# KiCad board SmallDSPMaxi.kicad_pcb (continued)
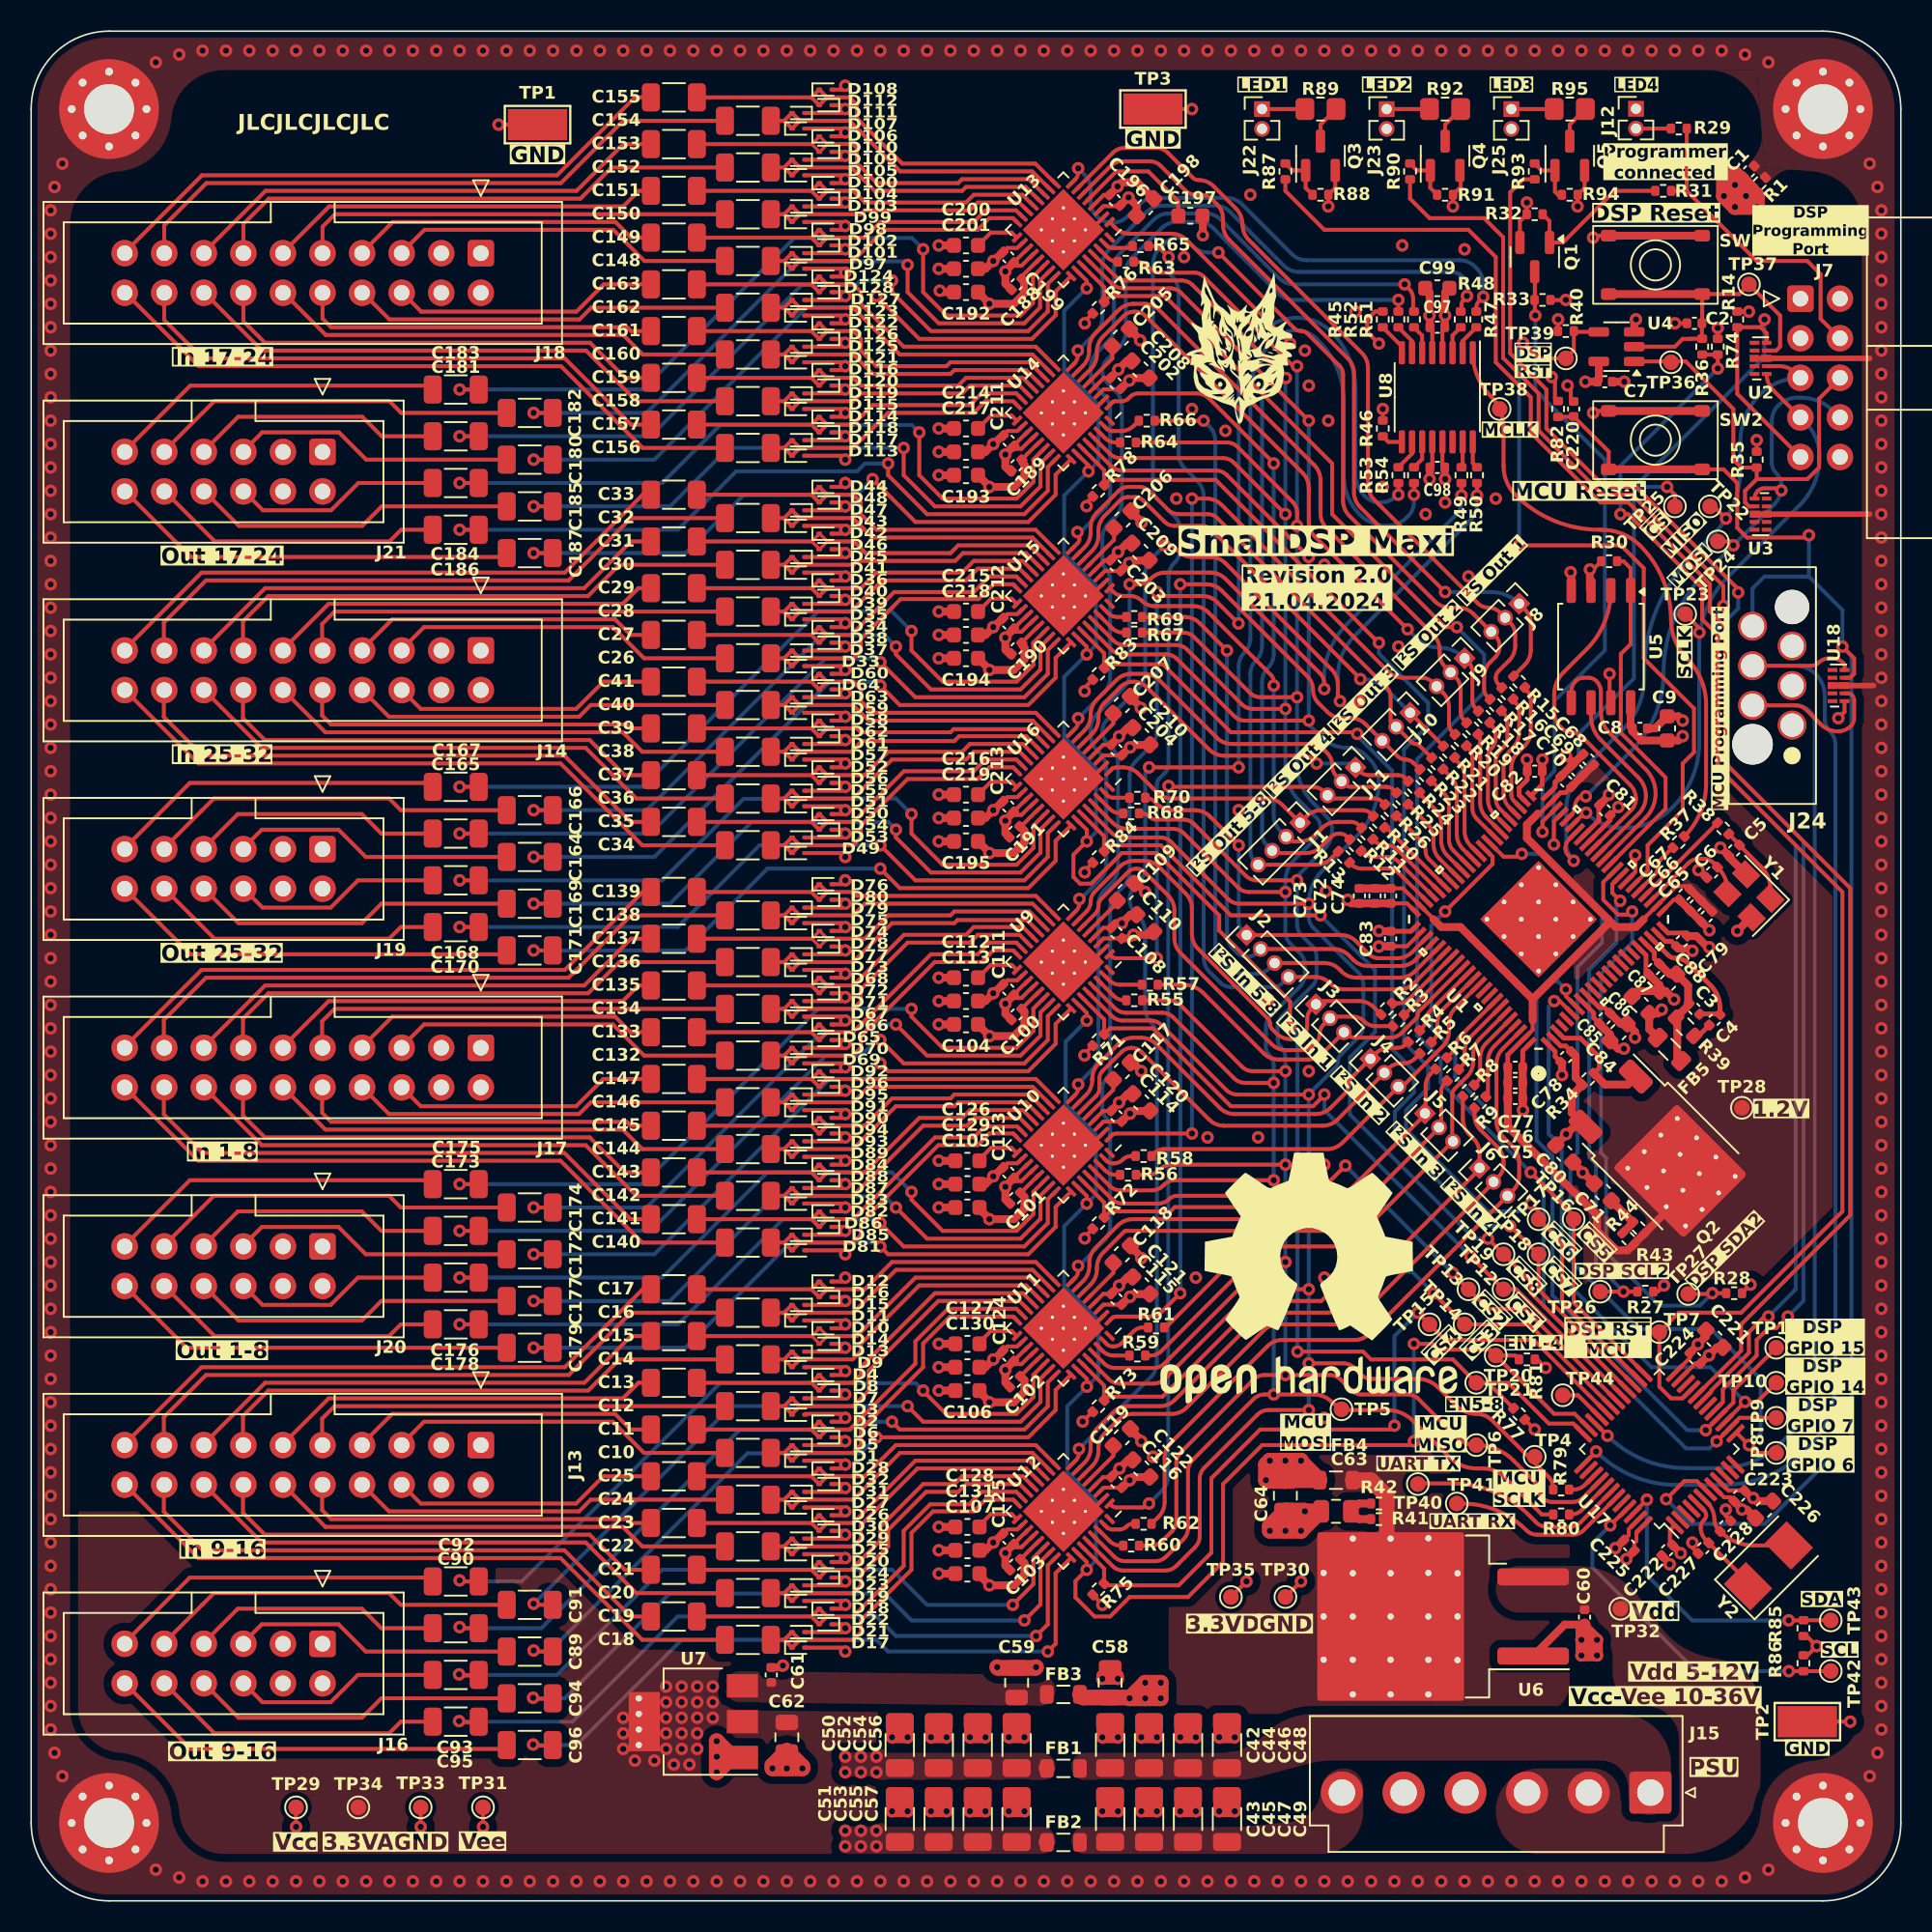
[diagram p0: board, top side]
## Placement (name value [footprint] x y rotation side) (continued)
D124  RB521CS-30  [D_SOD-923]  51 104.25 0 top
D125  RB521CS-30  [D_SOD-923]  49.25 99.75 180 top
D126  RB521CS-30  [D_SOD-923]  51 100.25 180 top
D127  RB521CS-30  [D_SOD-923]  49.25 102.75 180 top
D128  RB521CS-30  [D_SOD-923]  51 103.25 180 top
FB1  600R@100MHz  [L_0805_2012Metric]  66.25 8.5 180 top
FB2  600R@100MHz  [L_0805_2012Metric]  66.25 3.75 180 top
FB3  600R@100MHz  [L_0805_2012Metric]  66.25 13.25 180 top
FB4  600R@100MHz  [L_0805_2012Metric]  83.75 27 180 top
FB5  600R@100MHz  [L_0805_2012Metric]  105.15 54.65 315 top
G***  LOGO  [OpenHardware_600dpi]  82 40 0 top
G***#2  LOGO  [Strix_paint_600dpi]  77.69 99.62 0 top
G***#3  LOGO  [OpenHardware_600dpi]  66.75 58 180 bottom
G***#4  LOGO  [Strix_paint_300dpi]  80 93.25 180 bottom
H1  MountingHole  [MountingHole_3.2mm_M3_Pad_Via]  115 5 0 top
H2  MountingHole  [MountingHole_3.2mm_M3_Pad_Via]  5 5 0 top
H3  MountingHole  [MountingHole_3.2mm_M3_Pad_Via]  5 115 0 top
H4  MountingHole  [MountingHole_3.2mm_M3_Pad_Via]  115 115 0 top
J1  Header  [PinHeader_1x04_P1.27mm_Vertical]  81.45 69.2 315 top  (not fitted)
J2  Header  [PinHeader_1x04_P1.27mm_Vertical]  78.01 61.99 45 top  (not fitted)
J3  Header  [PinHeader_1x03_P1.27mm_Vertical]  82.46 57.55 45 top  (not fitted)
J4  Header  [PinHeader_1x03_P1.27mm_Vertical]  85.95 54.05 45 top  (not fitted)
J5  Header  [PinHeader_1x03_P1.27mm_Vertical]  89.46 50.54 45 top  (not fitted)
J6  Header  [PinHeader_1x03_P1.27mm_Vertical]  92.96 47.04 45 top  (not fitted)
J7  Programming  [IDC-Header_2x05_P2.54mm_Horizontal]  113.55 102.83 0 top
J8  Header  [PinHeader_1x03_P1.27mm_Vertical]  95.5 83.25 315 top  (not fitted)
J9  Header  [PinHeader_1x03_P1.27mm_Vertical]  92 79.75 315 top  (not fitted)
J10  Header  [PinHeader_1x03_P1.27mm_Vertical]  88.5 76.25 315 top  (not fitted)
J11  Header  [PinHeader_1x03_P1.27mm_Vertical]  85 72.75 315 top  (not fitted)
J12  Header  [PinHeader_1x02_P1.27mm_Vertical]  103 115.02 0 top  (not fitted)
J13  IDC  [IDC-Header_2x10_P2.54mm_Vertical]  28.86 29.25 270 top
J14  IDC  [IDC-Header_2x10_P2.54mm_Vertical]  28.86 80.25 270 top
J15  B6P-VH  [JST_VH_B6P-VH_1x06_P3.96mm_Vertical]  103.93 6.95 180 top
J16  IDC  [IDC-Header_2x06_P2.54mm_Vertical]  18.7 16.5 270 top
J17  IDC  [IDC-Header_2x10_P2.54mm_Vertical]  28.86 54.75 270 top
J18  IDC  [IDC-Header_2x10_P2.54mm_Vertical]  28.86 105.75 270 top
J19  IDC  [IDC-Header_2x06_P2.54mm_Vertical]  18.7 67.5 270 top
J20  IDC  [IDC-Header_2x06_P2.54mm_Vertical]  18.7 42 270 top
J21  IDC  [IDC-Header_2x06_P2.54mm_Vertical]  18.7 93 270 top
J22  Header  [PinHeader_1x02_P1.27mm_Vertical]  79 115 0 top  (not fitted)
J23  Header  [PinHeader_1x02_P1.27mm_Vertical]  87 115 0 top  (not fitted)
J24  Header  [WE_WR-WST_REDFIT-6_Debugging]  111.75 78 270 top
J25  Header  [PinHeader_1x02_P1.27mm_Vertical]  95 115 0 top  (not fitted)
Q1  2N7002  [SOT-23]  96.5 105.5 270 top
Q2  NSS1C300ET4G  [TO-252-2 thermal vias]  104.95 47.73 315 top
Q3  2N7002  [SOT-23]  82.75 112 90 top
Q4  2N7002  [SOT-23]  90.75 112 90 top
Q5  2N7002  [SOT-23]  98.75 112 90 top
R1  1k  [R_0402_1005Metric]  110.94 110.25 225 top
R2  33R  [R_0402_1005Metric]  87 57.25 45 top
R3  33R  [R_0402_1005Metric]  87.75 56.5 45 top
R4  33R  [R_0402_1005Metric]  88.75 55.5 45 top
R5  33R  [R_0402_1005Metric]  89.5 54.75 45 top
R6  33R  [R_0402_1005Metric]  90.5 53.75 45 top
R7  33R  [R_0402_1005Metric]  91.25 53 45 top
R8  33R  [R_0402_1005Metric]  92.25 52 45 top
R9  33R  [R_0402_1005Metric]  93 51.25 45 top
R10  33R  [R_0402_1005Metric]  86.5 69.25 315 top
R11  33R  [R_0402_1005Metric]  85.75 68.5 315 top
R12  33R  [R_0402_1005Metric]  85 67.75 315 top
R13  33R  [R_0402_1005Metric]  84.25 67 315 top
R14  10k  [R_0402_1005Metric]  109.5 101.5 270 top
R15  33R  [R_0402_1005Metric]  95.5 78.25 135 top
R16  33R  [R_0402_1005Metric]  94.75 77.5 135 top
R17  33R  [R_0402_1005Metric]  94 76.75 135 top
R18  33R  [R_0402_1005Metric]  93.25 76 135 top
R19  33R  [R_0402_1005Metric]  92.5 75.25 135 top
R20  33R  [R_0402_1005Metric]  91.75 74.5 135 top
R21  33R  [R_0402_1005Metric]  91 73.75 135 top
R22  33R  [R_0402_1005Metric]  90.25 73 135 top
R23  33R  [R_0402_1005Metric]  89.5 72.25 135 top
R24  33R  [R_0402_1005Metric]  88.75 71.5 135 top
R25  33R  [R_0402_1005Metric]  88 70.75 135 top
R26  33R  [R_0402_1005Metric]  87.25 70 135 top
R27  2k2  [R_0402_1005Metric]  103.6 39.1 180 top  (not fitted)
R28  2k2  [R_0402_1005Metric]  109.3 39 180 top  (not fitted)
R29  1k  [R_0402_1005Metric]  105.75 113.75 180 top
R30  10k  [R_0402_1005Metric]  101.28 85.98 0 top
R31  100R  [R_0402_1005Metric]  104.75 109.75 0 top
R32  100k  [R_0402_1005Metric]  96.5 108.25 0 top
R33  10k  [R_0402_1005Metric]  97 102.75 180 top
R34  1k  [R_0402_1005Metric]  99.93 52.75 45 top
R35  100k  [R_0402_1005Metric]  110.75 92.5 90 top
R36  1k  [R_0402_1005Metric]  107.25 99.75 90 top
R37  33R  [R_0402_1005Metric]  105.74 67.95 45 top
R38  100R  [R_0402_1005Metric]  108.59 68.83 315 top
R39  4k3  [R_0603_1608Metric]  106.15 56.1 135 top
R40  10k  [R_0402_1005Metric]  98.5 100.75 180 top
R41  1R  [R_0402_1005Metric]  86.5 24.5 180 top
R42  1R  [R_0402_1005Metric]  86.5 25.5 180 top
R43  1R  [R_0402_1005Metric]  102.5 42.5 135 top
R44  1R  [R_0402_1005Metric]  103.17 43.19 135 top
R45  1k  [R_0402_1005Metric]  86.75 101.5 270 top
R46  1k  [R_0402_1005Metric]  86.75 94.5 270 top
R47  33R  [R_0402_1005Metric]  92.75 101.5 90 top
R48  33R  [R_0402_1005Metric]  91.75 101.5 90 top
R49  33R  [R_0402_1005Metric]  91.8 91.5 270 top
R50  33R  [R_0402_1005Metric]  92.8 91.5 270 top
R51  33R  [R_0402_1005Metric]  88.75 101.5 90 top
R52  33R  [R_0402_1005Metric]  87.75 101.5 90 top
R53  33R  [R_0402_1005Metric]  87.75 91.5 270 top
R54  33R  [R_0402_1005Metric]  88.75 91.5 270 top
R55  33R  [R_0402_1005Metric]  70.8 57.8 180 top
R56  33R  [R_0402_1005Metric]  70.4 46.6 180 top
R57  33R  [R_0402_1005Metric]  71.8 58.8 0 top
R58  33R  [R_0402_1005Metric]  71.4 47.8 0 top
R59  33R  [R_0402_1005Metric]  71 35 180 top
R60  33R  [R_0402_1005Metric]  70.6 22.8 180 top
R61  33R  [R_0402_1005Metric]  72.2 36.8 0 top
R62  33R  [R_0402_1005Metric]  71.4 24.2 0 top
R63  33R  [R_0402_1005Metric]  70.25 105.2 180 top
R64  33R  [R_0402_1005Metric]  70.4 93.6 180 top
R65  33R  [R_0402_1005Metric]  71.2 106.2 0 top
R66  33R  [R_0402_1005Metric]  71.6 95 0 top
R67  33R  [R_0402_1005Metric]  70.8 81.4 180 top
R68  33R  [R_0402_1005Metric]  70.6 69.8 180 top
R69  33R  [R_0402_1005Metric]  70.8 82.4 0 top
R70  33R  [R_0402_1005Metric]  71 70.8 0 top
R71  10k  [R_0402_1005Metric]  68.5 55.25 45 top
R72  10k  [R_0402_1005Metric]  68.5 43.5 45 top
R73  10k  [R_0402_1005Metric]  68.5 31.75 45 top
R74  10k  [R_0402_1005Metric]  108.25 99.75 90 top
R75  10k  [R_0402_1005Metric]  68.5 20 45 top
R76  10k  [R_0402_1005Metric]  68.5 102.25 45 top
R77  10k  [R_0402_1005Metric]  95.5 31.25 315 top
R78  10k  [R_0402_1005Metric]  68.5 90.5 45 top
R79  33R  [R_0402_1005Metric]  98.2 26.4 0 top
R80  33R  [R_0402_1005Metric]  98.2 24.8 0 top
R81  10k  [R_0402_1005Metric]  96 34.75 0 top
R82  10k  [R_0402_1005Metric]  98 95.75 270 top
R83  10k  [R_0402_1005Metric]  68.5 78.75 45 top
R84  10k  [R_0402_1005Metric]  68.5 67 45 top
R85  2k2  [R_0402_1005Metric]  113.75 17.5 90 top  (not fitted)
R86  2k2  [R_0402_1005Metric]  113.75 15.25 270 top  (not fitted)
R87  100R  [R_0402_1005Metric]  80.5 111 90 top
R88  100k  [R_0402_1005Metric]  82.75 109.5 0 top
R89  TBD  [R_0805_2012Metric_Pad1.20x1.40mm_HandSolder]  82.75 115 0 top  (not fitted)
R90  100R  [R_0402_1005Metric]  88.5 111 90 top
R91  100k  [R_0402_1005Metric]  90.75 109.5 0 top
R92  TBD  [R_0805_2012Metric_Pad1.20x1.40mm_HandSolder]  90.75 115 0 top  (not fitted)
R93  100R  [R_0402_1005Metric]  96.5 111 90 top
R94  100k  [R_0402_1005Metric]  98.75 109.5 0 top
R95  TBD  [R_0805_2012Metric_Pad1.20x1.40mm_HandSolder]  98.75 115 0 top  (not fitted)
SW1  -  [TS-1187A-B-A-B]  104.25 105 0 top
SW2  -  [TS-1187A-B-A-B]  104.25 93.75 0 top
TP1  TestPoint  [TestPoint_Keystone_5019_Minature]  32.5 114 180 top  (not fitted)
TP2  TestPoint  [TestPoint_Keystone_5019_Minature]  114 11.5 180 top  (not fitted)
TP3  TestPoint  [TestPoint_Keystone_5019_Minature]  72 115 180 top  (not fitted)
TP4  TestPoint  [TestPoint_Pad_D1.0mm]  96.5 28.5 0 top
TP5  TestPoint  [TestPoint_Pad_D1.0mm]  84.1 31.55 0 top
TP6  TestPoint  [TestPoint_Pad_D1.0mm]  92.75 29.25 0 top
TP7  TestPoint  [TestPoint_Pad_D1.0mm]  104.5 36.5 0 top
TP8  TestPoint  [TestPoint_Pad_D1.0mm]  112 28.75 0 top
TP9  TestPoint  [TestPoint_Pad_D1.0mm]  112 31 0 top
TP10  TestPoint  [TestPoint_Pad_D1.0mm]  112 33.25 0 top
TP11  TestPoint  [TestPoint_Pad_D1.0mm]  112 35.5 0 top
TP12  TestPoint  [TestPoint_Pad_D1.0mm]  94.5 39.25 135 top
TP13  TestPoint  [TestPoint_Pad_D1.0mm]  92.25 39.25 135 top
TP14  TestPoint  [TestPoint_Pad_D1.0mm]  92 37 135 top
TP15  TestPoint  [TestPoint_Pad_D1.0mm]  89.75 37 135 top
TP16  TestPoint  [TestPoint_Pad_D1.0mm]  99 43.75 0 top
TP17  TestPoint  [TestPoint_Pad_D1.0mm]  96.75 43.75 0 top
TP18  TestPoint  [TestPoint_Pad_D1.0mm]  96.75 41.5 0 top
TP19  TestPoint  [TestPoint_Pad_D1.0mm]  94.5 41.5 0 top
TP20  TestPoint  [TestPoint_Pad_D1.0mm]  94 35 0 top
TP21  TestPoint  [TestPoint_Pad_D1.0mm]  92.75 33.25 0 top
TP22  TestPoint  [TestPoint_Pad_D1.0mm]  107.75 89.5 0 top
TP23  TestPoint  [TestPoint_Pad_D1.0mm]  106.16 82.59 0 top
TP24  TestPoint  [TestPoint_Pad_D1.0mm]  108.25 87.25 0 top
TP25  TestPoint  [TestPoint_Pad_D1.0mm]  105.5 89.5 0 top
TP26  TestPoint  [TestPoint_Pad_D1.0mm]  100.7 39.1 45 top
TP27  TestPoint  [TestPoint_Pad_D1.0mm]  106.35 38.95 45 top
TP28  TestPoint  [TestPoint_Pad_D1.0mm]  109.8 50.9 0 top
TP29  TestPoint  [TestPoint_Pad_D1.0mm]  17 6 0 top
TP30  TestPoint  [TestPoint_Pad_D1.0mm]  80.5 19.5 0 top
TP31  TestPoint  [TestPoint_Pad_D1.0mm]  29 6 0 top
TP32  TestPoint  [TestPoint_Pad_D1.0mm]  102 18.75 90 top
TP33  TestPoint  [TestPoint_Pad_D1.0mm]  25 6 315 top
TP34  TestPoint  [TestPoint_Pad_D1.0mm]  21 6 0 top
TP35  TestPoint  [TestPoint_Pad_D1.0mm]  77 19.5 270 top
TP36  TestPoint  [TestPoint_Pad_D1.0mm]  105.25 98.75 0 top
TP37  TestPoint  [TestPoint_Pad_D1.0mm]  110.25 103.75 0 top
TP38  TestPoint  [TestPoint_Pad_D1.0mm]  94.25 95.75 0 top
TP39  TestPoint  [TestPoint_Pad_D1.0mm]  98.5 99 180 top
TP40  TestPoint  [TestPoint_Pad_D1.0mm]  89 26.75 0 top
TP41  TestPoint  [TestPoint_Pad_D1.0mm]  91.5 25.5 0 top
TP42  TestPoint  [TestPoint_Pad_D1.0mm]  115.5 14.75 135 top
TP43  TestPoint  [TestPoint_Pad_D1.0mm]  115.5 18 135 top
TP44  TestPoint  [TestPoint_Pad_D1.0mm]  98.3 32.45 0 top
U1  ADAU1467  [ADAU1463]  96.75 63 135 top
U2  H5VU25U  [Diodes_UDFN-10_1.0x2.5mm_P0.5mm]  111 99 180 top
U3  H5VU25U  [Diodes_UDFN-10_1.0x2.5mm_P0.5mm]  111 89 0 top
U4  74AHC1G08  [SOT-23-5]  101.75 99.75 180 top
U5  25AA1024-I/SM  [SOIC-8_5.275x5.275mm_P1.27mm]  100.75 80.5 270 top
U6  LD1085D2T33TR  [TO-263-2]  88.75 18.25 180 top
U7  TLV1117-33  [SOT-223-3_TabPin2]  42.5 11.5 180 top
U8  PL123-09OC  [TSSOP-16_4.4x5mm_P0.65mm]  90.25 96.5 270 top
U9  AK4619  [QFN-32-1EP_5x5mm_P0.5mm_EP3.7x3.7mm_ThermalVias]  66.25 60.25 225 top
U10  AK4619  [QFN-32-1EP_5x5mm_P0.5mm_EP3.7x3.7mm_ThermalVias]  66.25 48.5 225 top
U11  AK4619  [QFN-32-1EP_5x5mm_P0.5mm_EP3.7x3.7mm_ThermalVias]  66.25 36.75 225 top
U12  AK4619  [QFN-32-1EP_5x5mm_P0.5mm_EP3.7x3.7mm_ThermalVias]  66.25 25 225 top
U13  AK4619  [QFN-32-1EP_5x5mm_P0.5mm_EP3.7x3.7mm_ThermalVias]  66.25 107.25 225 top
U14  AK4619  [QFN-32-1EP_5x5mm_P0.5mm_EP3.7x3.7mm_ThermalVias]  66.25 95.5 225 top
U15  AK4619  [QFN-32-1EP_5x5mm_P0.5mm_EP3.7x3.7mm_ThermalVias]  66.25 83.75 225 top
U16  AK4619  [QFN-32-1EP_5x5mm_P0.5mm_EP3.7x3.7mm_ThermalVias]  66.25 72 225 top
U17  STM32F030C8Tx  [LQFP-48_7x7mm_P0.5mm]  104.5 29 135 top
U18  H5VU25U  [Diodes_UDFN-10_1.0x2.5mm_P0.5mm]  116 78 180 top
Y1  25.576MHz  [Crystal_SMD_3225-4Pin_3.2x2.5mm]  110.25 64.5 135 top
Y2  8MHz  [Crystal_SMD_5032-2Pin_5.0x3.2mm]  111.5 21.5 45 top

## Library data of the parts
C1 C2 C8 C60 C61 C66 C69 C73 C76 C78 C79 C81-C83 C85 C87 C97 C98 C100-C103 C108 C111 C114-C116 C123-C125 C188-C191 C196 C199 C202-C204 C211-C213 C220 C222-C225 = -: Assembling: X; Dielectric: X7R; LCSC Part #: C307331; Manufacturer: Samsung Electro-Mechanics; Notes: -25%@10VDC; Part Number: CL05B104KB54PNC; Rated Voltage: 50V; Tolerance: 10%; ki_fp_filters: C_*
C3 = -: Assembling: X; Dielectric: C0G; LCSC Part #: C86286; Manufacturer: Samsung Electro-Mechanics; Part Number: CL05C151JB5NNNC; Rated Voltage: 50V; Tolerance: 10%; ki_fp_filters: C_*
C4 = -: Dielectric: C0G; LCSC Part #: C2976066; Manufacturer: Murata Electronics; Part Number: GRM1555C1H562JE01D; Rated Voltage: 50V; Tolerance: 5%; ki_fp_filters: C_*
C5 C6 C227 C228 = -: Assembling: X; Dielectric: C0G; LCSC Part #: C1557; Manufacturer: FH (Guangdong Fenghua Advanced Tech); Part Number: 0402CG270J500NT; Rated Voltage: 50V; Tolerance: 5%; ki_fp_filters: C_*
C7 = -: Dielectric: X7R; Notes: -25%@10VDC; Rated Voltage: 50V; Assembling: X; Manufacturer: Samsung Electro-Mechanics; Part Number: CL05B104KB54PNC; Tolerance: 10%; LCSC Part #: C307331; ki_fp_filters: C_*
C9 C71 C80 C84 C86 C88 C99 C104-C107 C110 C113 C120-C122 C129-C131 C192-C195 C198 C201 C208-C210 C217-C219 C221 C226 = -: Assembling: X; Dielectric: X5R; LCSC Part #: C96446; Manufacturer: Samsung Electro-Mechanics; Notes: -50%@5VDC; Part Number: CL10A106MA8NRNC; Rated Voltage: 25V; Tolerance: 10%; ki_fp_filters: C_*
C10-C41 C89-C96 C132-C187 = -: Dielectric: X5R; Rated Voltage: 50V; Assembling: X; Manufacturer: Samsung Electro-Mechanics; Part Number: CL31A106KBHNNNE; Tolerance: 10%; LCSC Part #: C13585; ki_fp_filters: C_*
C42 C43 C56 C57 = -: Assembling: X; Dielectric: X5R; LCSC Part #: C12891; Manufacturer: Samsung Electro-Mechanics; Notes: -85%@18VDC; Part Number: CL31A226KAHNNNE; Rated Voltage: 25V; Tolerance: 10%; ki_fp_filters: C_*
C44-C55 = -: Dielectric: X5R; Notes: -85%@18VDC; Rated Voltage: 25V; Assembling: X; Manufacturer: Samsung Electro-Mechanics; Part Number: CL31A226KAHNNNE; Tolerance: 10%; LCSC Part #: C12891; ki_fp_filters: C_*
C58 C59 = -: Dielectric: X5R; Notes: -50%@5VDC; Rated Voltage: 25V; Assembling: X; Manufacturer: Samsung Electro-Mechanics; Part Number: CL21A226MAQNNNE; Tolerance: 10%; LCSC Part #: C45783; ki_fp_filters: C_*
C62-C64 = -: Assembling: X; Dielectric: X5R; LCSC Part #: C45783; Manufacturer: Samsung Electro-Mechanics; Notes: -50%@5VDC; Part Number: CL21A226MAQNNNE; Rated Voltage: 25V; Tolerance: 10%; ki_fp_filters: C_*
C65 C68 C72 C75 = -: Assembling: X; Dielectric: X5R; LCSC Part #: C52923; Manufacturer: Samsung Electro-Mechanics; Part Number: CL05A105KA5NQNC; Rated Voltage: 25V; Tolerance: 10%; ki_fp_filters: C_*
C67 C70 C74 C77 = -: Assembling: X; Dielectric: X7R; LCSC Part #: C15195; Manufacturer: Samsung Electro-Mechanics; Part Number: CL05B103KB5NNNC; Rated Voltage: 50V; Tolerance: 10%; ki_fp_filters: C_*
C109 C112 C117-C119 C126-C128 C197 C200 C205-C207 C214-C216 = -: Assembling: X; Dielectric: X5R; LCSC Part #: C19666; Manufacturer: Samsung Electro-Mechanics; Notes: -50%@3.3V and 0Vrms; Part Number: CL10A475KO8NNNC; Rated Voltage: 50V; Tolerance: 10%; ki_fp_filters: C_*
D1-D128 = -: Assembling: X; Manufacturer: TECH PUBLIC; LCSC Part #: C558436; Notes: 400mV@20mA; Rated Current: 200mA; ki_fp_filters: TO-???* *_Diode_* *SingleDiode* D_*
FB1 FB2 FB4 FB5 = -: LCSC Part #: C6467950; Manufacturer: WÃ¼rth Elektronik; Notes: Alternative(Jumper):C17477; Part Number: 78279220601; Rated Current: 2A; ki_fp_filters: Inductor_* L_* *Ferrite*
FB3 = -: Notes: Alternative(Jumper):C17477; Manufacturer: WÃ¼rth Elektronik; Part Number: 78279220601; Rated Current: 2A; LCSC Part #: C6467950; ki_fp_filters: Inductor_* L_* *Ferrite*
H1-H4 = -: LCSC Part #: -; Manufacturer: -; Part Number: -; ki_fp_filters: MountingHole*Pad*
J1-J6 J8-J12 J22 J23 J25 = -: LCSC Part #: -; Manufacturer: -; Part Number: -; ki_fp_filters: Connector*:*_1x??_*
J7 = -: LCSC Part #: -; Manufacturer: WÃ¼rth Electronik; Part Number: 61201021721; ki_fp_filters: Connector*:*_2x??_*
J13 J14 J17 J18 = -: Manufacturer: Amphenol; Part Number: T821120A1S100CEU; LCSC Part #: -; ki_fp_filters: Connector*:*_2x??_*
J15 = -: Description: Generic connector, single row, 01x06, script generated (kicad-library-utils/schlib/autogen/connector/); ki_fp_filters: Connector*:*_1x??_*
J16 J19-J21 = -: LCSC Part #: -; Manufacturer: Amphenol; Part Number: 75869-302LF; ki_fp_filters: Connector*:*_2x??_*
J24 = -: Description: Generic connector, double row, 02x03, odd/even pin numbering scheme (row 1 odd numbers, row 2 even numbers), script generated (kicad-library-utils/schlib/autogen/connector/); ki_fp_filters: Connector*:*_2x??_*
Q1 = -: Assembling: X; Manufacturer: Jiangsu Changjing Electronics Technology Co., Ltd.; LCSC Part #: C8545
Q2 = -: LCSC Part #: C604342; Manufacturer: onsemi
Q3-Q5 = -: Assembling: X; LCSC Part #: C8545; Manufacturer: Jiangsu Changjing Electronics Technology Co., Ltd.
R1 R29 R34 R45 R46 = -: Assembling: X; LCSC Part #: C11702; Manufacturer: UNI-ROYAL(Uniroyal Elec); Part Number: 0402WGF1001TCE; Rated Power: 62.5mW; Tolerance: 1%; ki_fp_filters: R_*
R2-R13 R15-R26 R37 R47-R70 R79 R80 = -: Assembling: X; LCSC Part #: C25105; Manufacturer: UNI-ROYAL(Uniroyal Elec); Part Number: 0402WGF330JTCE; Rated Power: 62.5mW; Tolerance: 1%; ki_fp_filters: R_*
R14 R30 R33 R71-R73 R75-R78 R81-R84 = -: Assembling: X; LCSC Part #: C25744; Manufacturer: UNI-ROYAL(Uniroyal Elec); Part Number: 0402WGF1002TCE; Rated Power: 62.5mW; Tolerance: 1%; ki_fp_filters: R_*
R27 R28 = -: Manufacturer: UNI-ROYAL(Uniroyal Elec); Part Number: 0402WGF2201TCE; Tolerance: 1%; Assembling: X; Rated Power: 62.5mW; LCSC Part #: C25879; ki_fp_filters: R_*
R31 = -: Assembling: X; Manufacturer: UNI-ROYAL(Uniroyal Elec); Part Number: 0402WGF1000TCE; Rated Power: 62.5mW; Tolerance: 1%; LCSC Part #: C25076; ki_fp_filters: R_*
R32 R35 = -: Assembling: X; Manufacturer: UNI-ROYAL(Uniroyal Elec); Rated Power: 62.5mW; Part Number: 0402WGF1003TCE; Tolerance: 1%; LCSC Part #: C25741; ki_fp_filters: R_*
R36 = -: Assembling: X; Manufacturer: UNI-ROYAL(Uniroyal Elec); Part Number: 0402WGF1001TCE; Rated Power: 62.5mW; Tolerance: 1%; LCSC Part #: C11702; ki_fp_filters: R_*
R38 R87 R90 R93 = -: Assembling: X; LCSC Part #: C25076; Manufacturer: UNI-ROYAL(Uniroyal Elec); Part Number: 0402WGF1000TCE; Rated Power: 62.5mW; Tolerance: 1%; ki_fp_filters: R_*
R39 = -: Assembling: X; LCSC Part #: C23159; Manufacturer: UNI-ROYAL(Uniroyal Elec); Part Number: 0603WAF4301T5E; Rated Power: 100mW; Tolerance: 1%; ki_fp_filters: R_*
R40 = -: Assembling: X; Manufacturer: UNI-ROYAL(Uniroyal Elec); Part Number: 0402WGF1002TCE; Rated Power: 62.5mW; Tolerance: 1%; LCSC Part #: C25744; ki_fp_filters: R_*
R41-R44 = -: Assembling: X; LCSC Part #: C25086; Manufacturer: UNI-ROYAL(Uniroyal Elec); Part Number: 0402WGF100KTCE; Rated Power: 62.5mW; Tolerance: 1%; ki_fp_filters: R_*
R74 = -: Assembling: X; Manufacturer: UNI-ROYAL(Uniroyal Elec); Rated Power: 62.5mW; Part Number: 0402WGF1002TCE; Tolerance: 1%; LCSC Part #: C25744; ki_fp_filters: R_*
R85 R86 = -: Assembling: X; LCSC Part #: C25879; Manufacturer: UNI-ROYAL(Uniroyal Elec); Part Number: 0402WGF2201TCE; Rated Power: 62.5mW; Tolerance: 1%; ki_fp_filters: R_*
R88 R91 R94 = -: Assembling: X; LCSC Part #: C25741; Manufacturer: UNI-ROYAL(Uniroyal Elec); Part Number: 0402WGF1003TCE; Rated Power: 62.5mW; Tolerance: 1%; ki_fp_filters: R_*
R89 R92 R95 = -: LCSC Part #: -; Manufacturer: -; Part Number: -; ki_fp_filters: R_*
SW1 SW2 = -: Assembling: X; LCSC Part #: C318884; Manufacturer: XKB Connectivity
TP1-TP3 = -: LCSC Part #: C238131; Manufacturer: Keystone; Part Number: 5019; ki_fp_filters: Pin* Test*
TP4-TP6 TP20 TP21 TP26-TP28 TP30-TP35 TP38-TP44 = -: LCSC Part #: -; Manufacturer: -; Part Number: -; ki_fp_filters: Pin* Test*
TP7-TP19 TP22-TP25 TP29 TP36 TP37 = -: Manufacturer: -; Part Number: -; LCSC Part #: -; ki_fp_filters: Pin* Test*
U1 = -: Datasheet: https://www.mouser.de/datasheet/2/609/ADAU1463_1467-3119880.pdf; Description: Analog Devices Sigma DSP; LCSC Part #: C654415; Manufacturer: Analog Devices; Notes: Alterative: ADAU1463WBCPZ300RL (C654412) Less RAM.; Part Number: ADAU1463; Field13: 0.213in/5.4mm
U2 U3 U18 = -: Datasheet: https://www.diodes.com/assets/Datasheets/D3V3XA4B10LP.pdf; Assembling: X; LCSC Part #: C7420374; Manufacturer: hongjiacheng; ki_fp_filters: Diodes*UDFN*1.0x2.5mm*P0.5mm*
U4 = -: Datasheet: http://www.ti.com/lit/sg/scyt129e/scyt129e.pdf; Description: Single AND Gate, Low-Voltage CMOS; LCSC Part #: C7467; Manufacturer: Texas Instruments; Part Number: SN74AHC1G08DBVR; ki_fp_filters: SOT* SG-*
U5 = -: Datasheet: https://www.mouser.de/datasheet/2/268/1_Mbit_SPI_Bus_Serial_EEPROM_Data_Sheet_20001836K-2604532.pdf; LCSC Part #: C616138; Manufacturer: Microchip
U6 = -: Datasheet: https://www.st.com/resource/en/datasheet/ld1086.pdf; LCSC Part #: C7913; Manufacturer: STMicroelectronics; ki_fp_filters: TO?263?2*
U7 = -: Datasheet: http://www.ti.com/lit/ds/symlink/tlv1117.pdf; LCSC Part #: C37359; Manufacturer: Texas Instruments
U8 = -: LCSC Part #: C637362; Manufacturer: Microchip
U9-U16 = -: Description: AKM 4 Channel Audio Codec; LCSC Part #: C3034747; Manufacturer: AKM(Asahi Kasei Microdevices); Notes: LCSC not in stock; Part Number: AK4619VN; I2C device address: 0b001000X
U17 = -: Datasheet: https://www.st.com/resource/en/datasheet/stm32f030c8.pdf; Assembling: X; LCSC Part #: C23922; Manufacturer: ST Microelectronics; Part Number: STM32F030C8T6; ki_fp_filters: LQFP*7x7mm*P0.5mm*
Y1 = -: Assembling: X; LCSC Part #: C258948; Manufacturer: ECEC(ZheJiang E ast Crystal Elec); Part Number: M24576J046; ki_fp_filters: Crystal*
Y2 = -: Assembling: X; LCSC Part #: C115962; Manufacturer: YXC; Part Number: X50328MSB2GI; ki_fp_filters: Crystal*

## Footprints (pads in the part's own frame, mm; a bottom-side part is the same pattern mirrored in y, then rotated)
ADAU1463
  custom 1.424x1.424 smd: (-1.567,1.567) (-1.567,0) (-1.567,-1.567) (0,1.567) (0,0) (0,-1.567) (1.567,1.567) (1.567,0) (1.567,-1.567)
  rect 0.805x0.3 smd: 1(-5.952,5.25) 2(-5.952,4.75) 21(-5.952,-4.75) 22(-5.952,-5.25) 45(5.952,-5.25) 46(5.952,-4.75) 65(5.952,4.75) 66(5.952,5.25)
  rect 0.955x0.3 smd: 3(-5.877,4.25) 4(-5.877,3.75) 19(-5.877,-3.75) 20(-5.877,-4.25) 47(5.877,-4.25) 48(5.877,-3.75) 63(5.877,3.75) 64(5.877,4.25)
  rect 1.105x0.3 smd: 5(-5.802,3.25) 6(-5.802,2.75) 17(-5.802,-2.75) 18(-5.802,-3.25) 49(5.802,-3.25) 50(5.802,-2.75) 61(5.802,2.75) 62(5.802,3.25)
  rect 1.305x0.3 smd: 7(-5.702,2.25) 8(-5.702,1.75) 9(-5.702,1.25) 10(-5.702,0.75) 11(-5.702,0.25) 12(-5.702,-0.25) 13(-5.702,-0.75) 14(-5.702,-1.25) 15(-5.702,-1.75) 16(-5.702,-2.25) 51(5.702,-2.25) 52(5.702,-1.75) 53(5.702,-1.25) 54(5.702,-0.75) 55(5.702,-0.25) 56(5.702,0.25) 57(5.702,0.75) 58(5.702,1.25) 59(5.702,1.75) 60(5.702,2.25)
  rect 0.3x0.805 smd: 23(-5.25,-5.952) 24(-4.75,-5.952) 43(4.75,-5.952) 44(5.25,-5.952) 67(5.25,5.952) 68(4.75,5.952) 87(-4.75,5.952) 88(-5.25,5.952)
  rect 0.3x0.955 smd: 25(-4.25,-5.877) 26(-3.75,-5.877) 41(3.75,-5.877) 42(4.25,-5.877) 69(4.25,5.877) 70(3.75,5.877) 85(-3.75,5.877) 86(-4.25,5.877)
  rect 0.3x1.105 smd: 27(-3.25,-5.802) 28(-2.75,-5.802) 39(2.75,-5.802) 40(3.25,-5.802) 71(3.25,5.802) 72(2.75,5.802) 83(-2.75,5.802) 84(-3.25,5.802)
  rect 0.3x1.305 smd: 29(-2.25,-5.702) 30(-1.75,-5.702) 31(-1.25,-5.702) 32(-0.75,-5.702) 33(-0.25,-5.702) 34(0.25,-5.702) 35(0.75,-5.702) 36(1.25,-5.702) 37(1.75,-5.702) 38(2.25,-5.702) 73(2.25,5.702) 74(1.75,5.702) 75(1.25,5.702) 76(0.75,5.702) 77(0.25,5.702) 78(-0.25,5.702) 79(-0.75,5.702) 80(-1.25,5.702) 81(-1.75,5.702) 82(-2.25,5.702)
  round 0.6 hole 0.3: EP(-2.35,2.35) EP(-2.35,0.783) EP(-2.35,-0.783) EP(-2.35,-2.35) EP(-0.783,2.35) EP(-0.783,0.783) EP(-0.783,-0.783) EP(-0.783,-2.35) EP(0.783,2.35) EP(0.783,0.783) EP(0.783,-0.783) EP(0.783,-2.35) EP(2.35,2.35) EP(2.35,0.783) EP(2.35,-0.783) EP(2.35,-2.35)
  rect 5.3x5.3 smd: EP(0,0)
C_0402_1005Metric
  rrect 0.56x0.62 smd: 1(-0.48,0) 2(0.48,0)
C_0603_1608Metric
  rrect 0.9x0.95 smd: 1(-0.775,0) 2(0.775,0)
C_0805_2012Metric
  rrect 1x1.45 smd: 1(-0.95,0) 2(0.95,0)
C_1206_3216Metric
  rrect 1.15x1.8 smd: 1(-1.475,0) 2(1.475,0)
Crystal_SMD_3225-4Pin_3.2x2.5mm
  rect 1.4x1.2 smd: 1(-1.1,-0.85) 2(1.1,-0.85) 3(1.1,0.85) 4(-1.1,0.85)
Crystal_SMD_5032-2Pin_5.0x3.2mm
  rect 2x2.4 smd: 1(-1.85,0) 2(1.85,0)
D_SOD-923
  rrect 0.36x0.25 smd: 1(-0.42,0) 2(0.42,0)
Diodes_UDFN-10_1.0x2.5mm_P0.5mm
  rect 0.625x0.25 smd: 1(-0.388,1) 2(-0.387,0.5) 4(-0.387,-0.5) 5(-0.388,-1) 6(0.388,-1) 7(0.387,-0.5) 9(0.387,0.5) 10(0.388,1)
  rect 0.7x0.45 smd: 3(-0.35,0)
  rect 0.575x0.45 smd: 8(0.413,0)
IDC-Header_2x05_P2.54mm_Horizontal
  rrect 1.7x1.7 hole 1: 1(0,0)
  round 1.7 hole 1: 2(2.54,0) 3(0,-2.54) 4(2.54,-2.54) 5(0,-5.08) 6(2.54,-5.08) 7(0,-7.62) 8(2.54,-7.62) 9(0,-10.16) 10(2.54,-10.16)
IDC-Header_2x06_P2.54mm_Vertical
  rrect 1.7x1.7 hole 1: 1(0,0)
  round 1.7 hole 1: 2(2.54,0) 3(0,-2.54) 4(2.54,-2.54) 5(0,-5.08) 6(2.54,-5.08) 7(0,-7.62) 8(2.54,-7.62) 9(0,-10.16) 10(2.54,-10.16) 11(0,-12.7) 12(2.54,-12.7)
IDC-Header_2x10_P2.54mm_Vertical
  rrect 1.7x1.7 hole 1: 1(0,0)
  round 1.7 hole 1: 2(2.54,0) 3(0,-2.54) 4(2.54,-2.54) 5(0,-5.08) 6(2.54,-5.08) 7(0,-7.62) 8(2.54,-7.62) 9(0,-10.16) 10(2.54,-10.16) 11(0,-12.7) 12(2.54,-12.7) 13(0,-15.24) 14(2.54,-15.24) 15(0,-17.78) 16(2.54,-17.78) 17(0,-20.32) 18(2.54,-20.32) 19(0,-22.86) 20(2.54,-22.86)
JST_VH_B6P-VH_1x06_P3.96mm_Vertical
  rrect 2.7x2.7 hole 1.7: 1(0,0)
  round 2.7 hole 1.7: 2(3.96,0) 3(7.92,0) 4(11.88,0) 5(15.84,0) 6(19.8,0)
L_0805_2012Metric
  rrect 0.875x1.2 smd: 1(-1.062,0) 2(1.062,0)
LQFP-48_7x7mm_P0.5mm
  rrect 1.475x0.3 smd: 1(-4.162,2.75) 2(-4.162,2.25) 3(-4.162,1.75) 4(-4.162,1.25) 5(-4.162,0.75) 6(-4.162,0.25) 7(-4.162,-0.25) 8(-4.162,-0.75) 9(-4.162,-1.25) 10(-4.162,-1.75) 11(-4.162,-2.25) 12(-4.162,-2.75) 25(4.162,-2.75) 26(4.162,-2.25) 27(4.162,-1.75) 28(4.162,-1.25) 29(4.162,-0.75) 30(4.162,-0.25) 31(4.162,0.25) 32(4.162,0.75) 33(4.162,1.25) 34(4.162,1.75) 35(4.162,2.25) 36(4.162,2.75)
  rrect 0.3x1.475 smd: 13(-2.75,-4.162) 14(-2.25,-4.162) 15(-1.75,-4.162) 16(-1.25,-4.162) 17(-0.75,-4.162) 18(-0.25,-4.162) 19(0.25,-4.162) 20(0.75,-4.162) 21(1.25,-4.162) 22(1.75,-4.162) 23(2.25,-4.162) 24(2.75,-4.162) 37(2.75,4.162) 38(2.25,4.162) 39(1.75,4.162) 40(1.25,4.162) 41(0.75,4.162) 42(0.25,4.162) 43(-0.25,4.162) 44(-0.75,4.162) 45(-1.25,4.162) 46(-1.75,4.162) 47(-2.25,4.162) 48(-2.75,4.162)
MountingHole_3.2mm_M3_Pad_Via
  round 0.8 hole 0.5: 1(-2.4,0) 1(-1.697,1.697) 1(-1.697,-1.697) 1(0,2.4) 1(0,-2.4) 1(1.697,1.697) 1(1.697,-1.697) 1(2.4,0)
  round 6.4 hole 3.2: 1(0,0)
PinHeader_1x02_P1.27mm_Vertical
  rect 1x1 hole 0.65: 1(0,0)
  oval 1x1 hole 0.65: 2(0,-1.27)
PinHeader_1x03_P1.27mm_Vertical
  rect 1x1 hole 0.65: 1(0,0)
  oval 1x1 hole 0.65: 2(0,-1.27) 3(0,-2.54)
PinHeader_1x04_P1.27mm_Vertical
  rect 1x1 hole 0.65: 1(0,0)
  oval 1x1 hole 0.65: 2(0,-1.27) 3(0,-2.54) 4(0,-3.81)
QFN-32-1EP_5x5mm_P0.5mm_EP3.7x3.7mm_ThermalVias
  custom 0.685x0.685 smd: (-1.425,1.425) (-1.425,-1.425) (1.425,1.425) (1.425,-1.425)
  custom 0.685x0.806 smd: (-1.425,0.5) (-1.425,-0.5) (1.425,0.5) (1.425,-0.5)
  custom 0.806x0.685 smd: (-0.5,1.425) (-0.5,-1.425) (0.5,1.425) (0.5,-1.425)
  rrect 0.806x0.806 smd: (-0.5,0.5) (-0.5,-0.5) (0.5,0.5) (0.5,-0.5)
  rrect 0.8x0.25 smd: 1(-2.45,1.75) 2(-2.45,1.25) 3(-2.45,0.75) 4(-2.45,0.25) 5(-2.45,-0.25) 6(-2.45,-0.75) 7(-2.45,-1.25) 8(-2.45,-1.75) 17(2.45,-1.75) 18(2.45,-1.25) 19(2.45,-0.75) 20(2.45,-0.25) 21(2.45,0.25) 22(2.45,0.75) 23(2.45,1.25) 24(2.45,1.75)
  rrect 0.25x0.8 smd: 9(-1.75,-2.45) 10(-1.25,-2.45) 11(-0.75,-2.45) 12(-0.25,-2.45) 13(0.25,-2.45) 14(0.75,-2.45) 15(1.25,-2.45) 16(1.75,-2.45) 25(1.75,2.45) 26(1.25,2.45) 27(0.75,2.45) 28(0.25,2.45) 29(-0.25,2.45) 30(-0.75,2.45) 31(-1.25,2.45) 32(-1.75,2.45)
  round 0.5 hole 0.2: 33(-1,1) 33(-1,0) 33(-1,-1) 33(0,1) 33(0,0) 33(0,-1) 33(1,1) 33(1,0) 33(1,-1)
  rect 2.5x2.5 smd far side: 33(0,0)
  rect 3.7x3.7 smd: 33(0,0)
R_0402_1005Metric
  rrect 0.54x0.64 smd: 1(-0.51,0) 2(0.51,0)
R_0603_1608Metric
  rrect 0.8x0.95 smd: 1(-0.825,0) 2(0.825,0)
R_0805_2012Metric_Pad1.20x1.40mm_HandSolder
  rrect 1.2x1.4 smd: 1(-1,0) 2(1,0)
SOIC-8_5.275x5.275mm_P1.27mm
  rrect 1.6x0.6 smd: 1(-3.6,1.905) 2(-3.6,0.635) 3(-3.6,-0.635) 4(-3.6,-1.905) 5(3.6,-1.905) 6(3.6,-0.635) 7(3.6,0.635) 8(3.6,1.905)
SOT-23
  rrect 1.475x0.6 smd: 1(-0.938,0.95) 2(-0.938,-0.95) 3(0.938,0)
SOT-23-5
  rrect 1.325x0.6 smd: 1(-1.137,0.95) 2(-1.137,0) 3(-1.137,-0.95) 4(1.137,-0.95) 5(1.137,0.95)
SOT-223-3_TabPin2
  rect 2x1.5 smd: 1(-3.15,2.3) 2(-3.15,0) 3(-3.15,-2.3)
  rect 2x3.8 smd: 2(3.15,0)
  round 0.6 hole 0.4: 2(3.5,1.5) 2(3.5,0.5) 2(3.5,-0.5) 2(3.5,-1.5)
TestPoint_Keystone_5019_Minature
  rect 3.8x2 smd: 1(0,0)
TestPoint_Pad_D1.0mm
  round 1 smd: 1(0,0)
TO-252-2 thermal vias
  rrect 2.2x1.2 smd: 1(-5.04,2.28) 3(-5.04,-2.28)
  rrect 0.5x1.25 smd: 2(-1.625,0) 2(-1.625,1.5) 2(-1.625,-1.5)
  rrect 0.5x0.5 smd: 2(-1.625,2.625) 2(-1.625,-2.625)
  round 0.6 hole 0.3: 2(-1.25,2.25) 2(-1.25,0.75) 2(-1.25,-0.75) 2(-1.25,-2.25) 2(0.5,0.75) 2(0.5,-0.75) 2(0.5,2.25) 2(0.5,-2.25) 2(2.25,2.25) 2(2.25,0.75) 2(2.25,-0.75) 2(2.25,-2.25) 2(4,2.25) 2(4,0.75) 2(4,-0.75) 2(4,-2.25)
  rrect 1.5x0.5 smd: 2(-0.375,2.625) 2(-0.375,-2.625) 2(1.375,2.625) 2(1.375,-2.625) 2(3.125,2.625) 2(3.125,-2.625)
  rrect 1.5x1.25 smd: 2(-0.375,1.5) 2(-0.375,0) 2(-0.375,-1.5) 2(1.375,1.5) 2(1.375,0) 2(1.375,-1.5) 2(3.125,1.5) 2(3.125,0) 2(3.125,-1.5)
  rrect 6.4x5.8 smd: 2(1.26,0)
TO-263-2
  rrect 4.6x1.1 smd: 1(-7.65,2.54) 3(-7.65,-2.54)
  round 0.8 hole 0.4: 2(-2.8,2.8) 2(-2.8,0) 2(-2.8,-2.775) 2(-0.925,5) 2(-0.925,2.775) 2(-0.925,0) 2(-0.925,-2.8) 2(-0.925,-5.025) 2(1.5,5) 2(1.5,2.775) 2(1.5,0) 2(1.5,-2.775) 2(1.5,-5) 2(3.925,5) 2(3.925,2.775) 2(3.925,0) 2(3.925,-2.775) 2(3.925,-5) 2(5.8,2.775) 2(5.8,0) 2(5.8,-2.8)
  rrect 2.125x2.475 smd: 2(-2.14,4.16) 2(-2.14,1.39) 2(-2.14,-1.39) 2(-2.14,-4.16) 2(0.28,-1.39) 2(0.29,4.16) 2(0.29,1.39) 2(0.29,-4.16) 2(2.71,4.16) 2(2.71,1.39) 2(2.71,-4.16) 2(2.72,-1.39) 2(5.13,4.16) 2(5.13,1.39) 2(5.13,-1.39) 2(5.13,-4.16)
  rrect 9.4x10.8 smd: 2(1.5,0)
TS-1187A-B-A-B
  rrect 1x0.75 smd: 1(-3,1.875) 1(3,1.875) 2(-3,-1.875) 2(3,-1.875)
TSSOP-16_4.4x5mm_P0.65mm
  rrect 1.475x0.4 smd: 1(-2.862,2.275) 2(-2.862,1.625) 3(-2.862,0.975) 4(-2.862,0.325) 5(-2.862,-0.325) 6(-2.862,-0.975) 7(-2.862,-1.625) 8(-2.862,-2.275) 9(2.862,-2.275) 10(2.862,-1.625) 11(2.862,-0.975) 12(2.862,-0.325) 13(2.862,0.325) 14(2.862,0.975) 15(2.862,1.625) 16(2.862,2.275)
WE_WR-WST_REDFIT-6_Debugging
  round 2.2 hole 2.2 unplated: (-5.04,1.27)
  round 2.6 hole 2.6 unplated: (3.77,-1.27)
  round 1.85 hole 1.5: 1(2.54,1.27) 2(1.27,-1.27) 3(0,1.27) 4(-1.27,-1.27) 5(-2.54,1.27) 6(-3.81,-1.27)

## Nets
+1V2: C65.1 C66.1 C67.1 C68.1 C69.1 C70.1 C72.1 C73.1 C74.1 C75.1 C76.1 C77.1 Q2.2 R43.1 R44.1 TP28.1 U1.24 U1.43 U1.65 U1.87
+3V3: C7.1 C8.1 C9.1 C64.1 C78.1 C79.1 C80.1 C81.1 C82.1 C83.1 C84.1 C85.1 C86.1 C97.1 C98.1 C99.1 C108.1 C110.1 C114.1 C115.1 C116.1 C120.1 C121.1 C122.1 C196.1 C198.1 C202.1 C203.1 C204.1 C208.1 C209.1 C210.1 C221.1 C222.2 C223.2 C224.2 C225.2 C226.1 FB4.2 FB5.1 J22.2 J23.2 J24.1 J25.2 Q2.3 R14.1 R27.1 R28.1 R30.1 R33.1 R34.1 R35.2 R45.1 R46.1 R71.1 R72.1 R73.1 R75.1 R76.1 R78.1 R82.1 R83.1 R84.1 R85.1 R86.1 TP35.1 U1.2 U1.9 U1.22 U1.37 U1.46 U1.68 U4.5 U5.3 U5.7 U5.8 U8.4 U8.13 U9.3 U10.3 U11.3 U12.3 U13.3 U14.3 U15.3 U16.3 U17.1 U17.9 U17.24 U17.48 U18.1
+3V3A: C62.1 C100.1 C101.1 C102.1 C103.1 C104.1 C105.1 C106.1 C107.1 C111.1 C113.1 C123.1 C124.1 C125.1 C129.1 C130.1 C131.1 C188.1 C189.1 C190.1 C191.1 C192.1 C193.1 C194.1 C195.1 C199.1 C201.1 C211.1 C212.1 C213.1 C217.1 C218.1 C219.1 D5.1 D6.1 D7.1 D8.1 D13.1 D14.1 D15.1 D16.1 D21.1 D22.1 D23.1 D24.1 D29.1 D30.1 D31.1 D32.1 D37.1 D38.1 D39.1 D40.1 D45.1 D46.1 D47.1 D48.1 D53.1 D54.1 D55.1 D56.1 D61.1 D62.1 D63.1 D64.1 D69.1 D70.1 D71.1 D72.1 D77.1 D78.1 D79.1 D80.1 D85.1 D86.1 D87.1 D88.1 D93.1 D94.1 D95.1 D96.1 D101.1 D102.1 D103.1 D104.1 D109.1 D110.1 D111.1 D112.1 D117.1 D118.1 D119.1 D120.1 D125.1 D126.1 D127.1 D128.1 TP34.1 U7.2 U9.18 U9.21 U10.18 U10.21 U11.18 U11.21 U12.18 U12.21 U13.18 U13.21 U14.18 U14.21 U15.18 U15.21 U16.18 U16.21
+3V3P: C3.1 C87.1 C88.1 FB5.2 R39.2 U1.19
+5V: C58.1 C60.1 FB3.1 J15.2 J15.3 TP32.1 U6.3
+5VUSB: J7.4 R29.1 R31.2
/Power/Vcc PSU: C42.1 C44.1 C46.1 C48.1 FB1.1 J15.1
/Power/Vee PSU: C43.1 C45.1 C47.1 C49.1 FB2.1 J15.6
